# Altium PCB PCB_1.PcbDoc (part 2 of 2)
Units mm, origin at the board's own origin, x right, y up, seen from the top; angles counter-clockwise.
Board outline 160 x 120 mm, 2 copper layers (Top Layer, Bottom Layer), stack 1.671 mm thick; 157 components, 129 nets, 509 pads, 147 vias.
Unrouted connection lines stored in the file: 9.
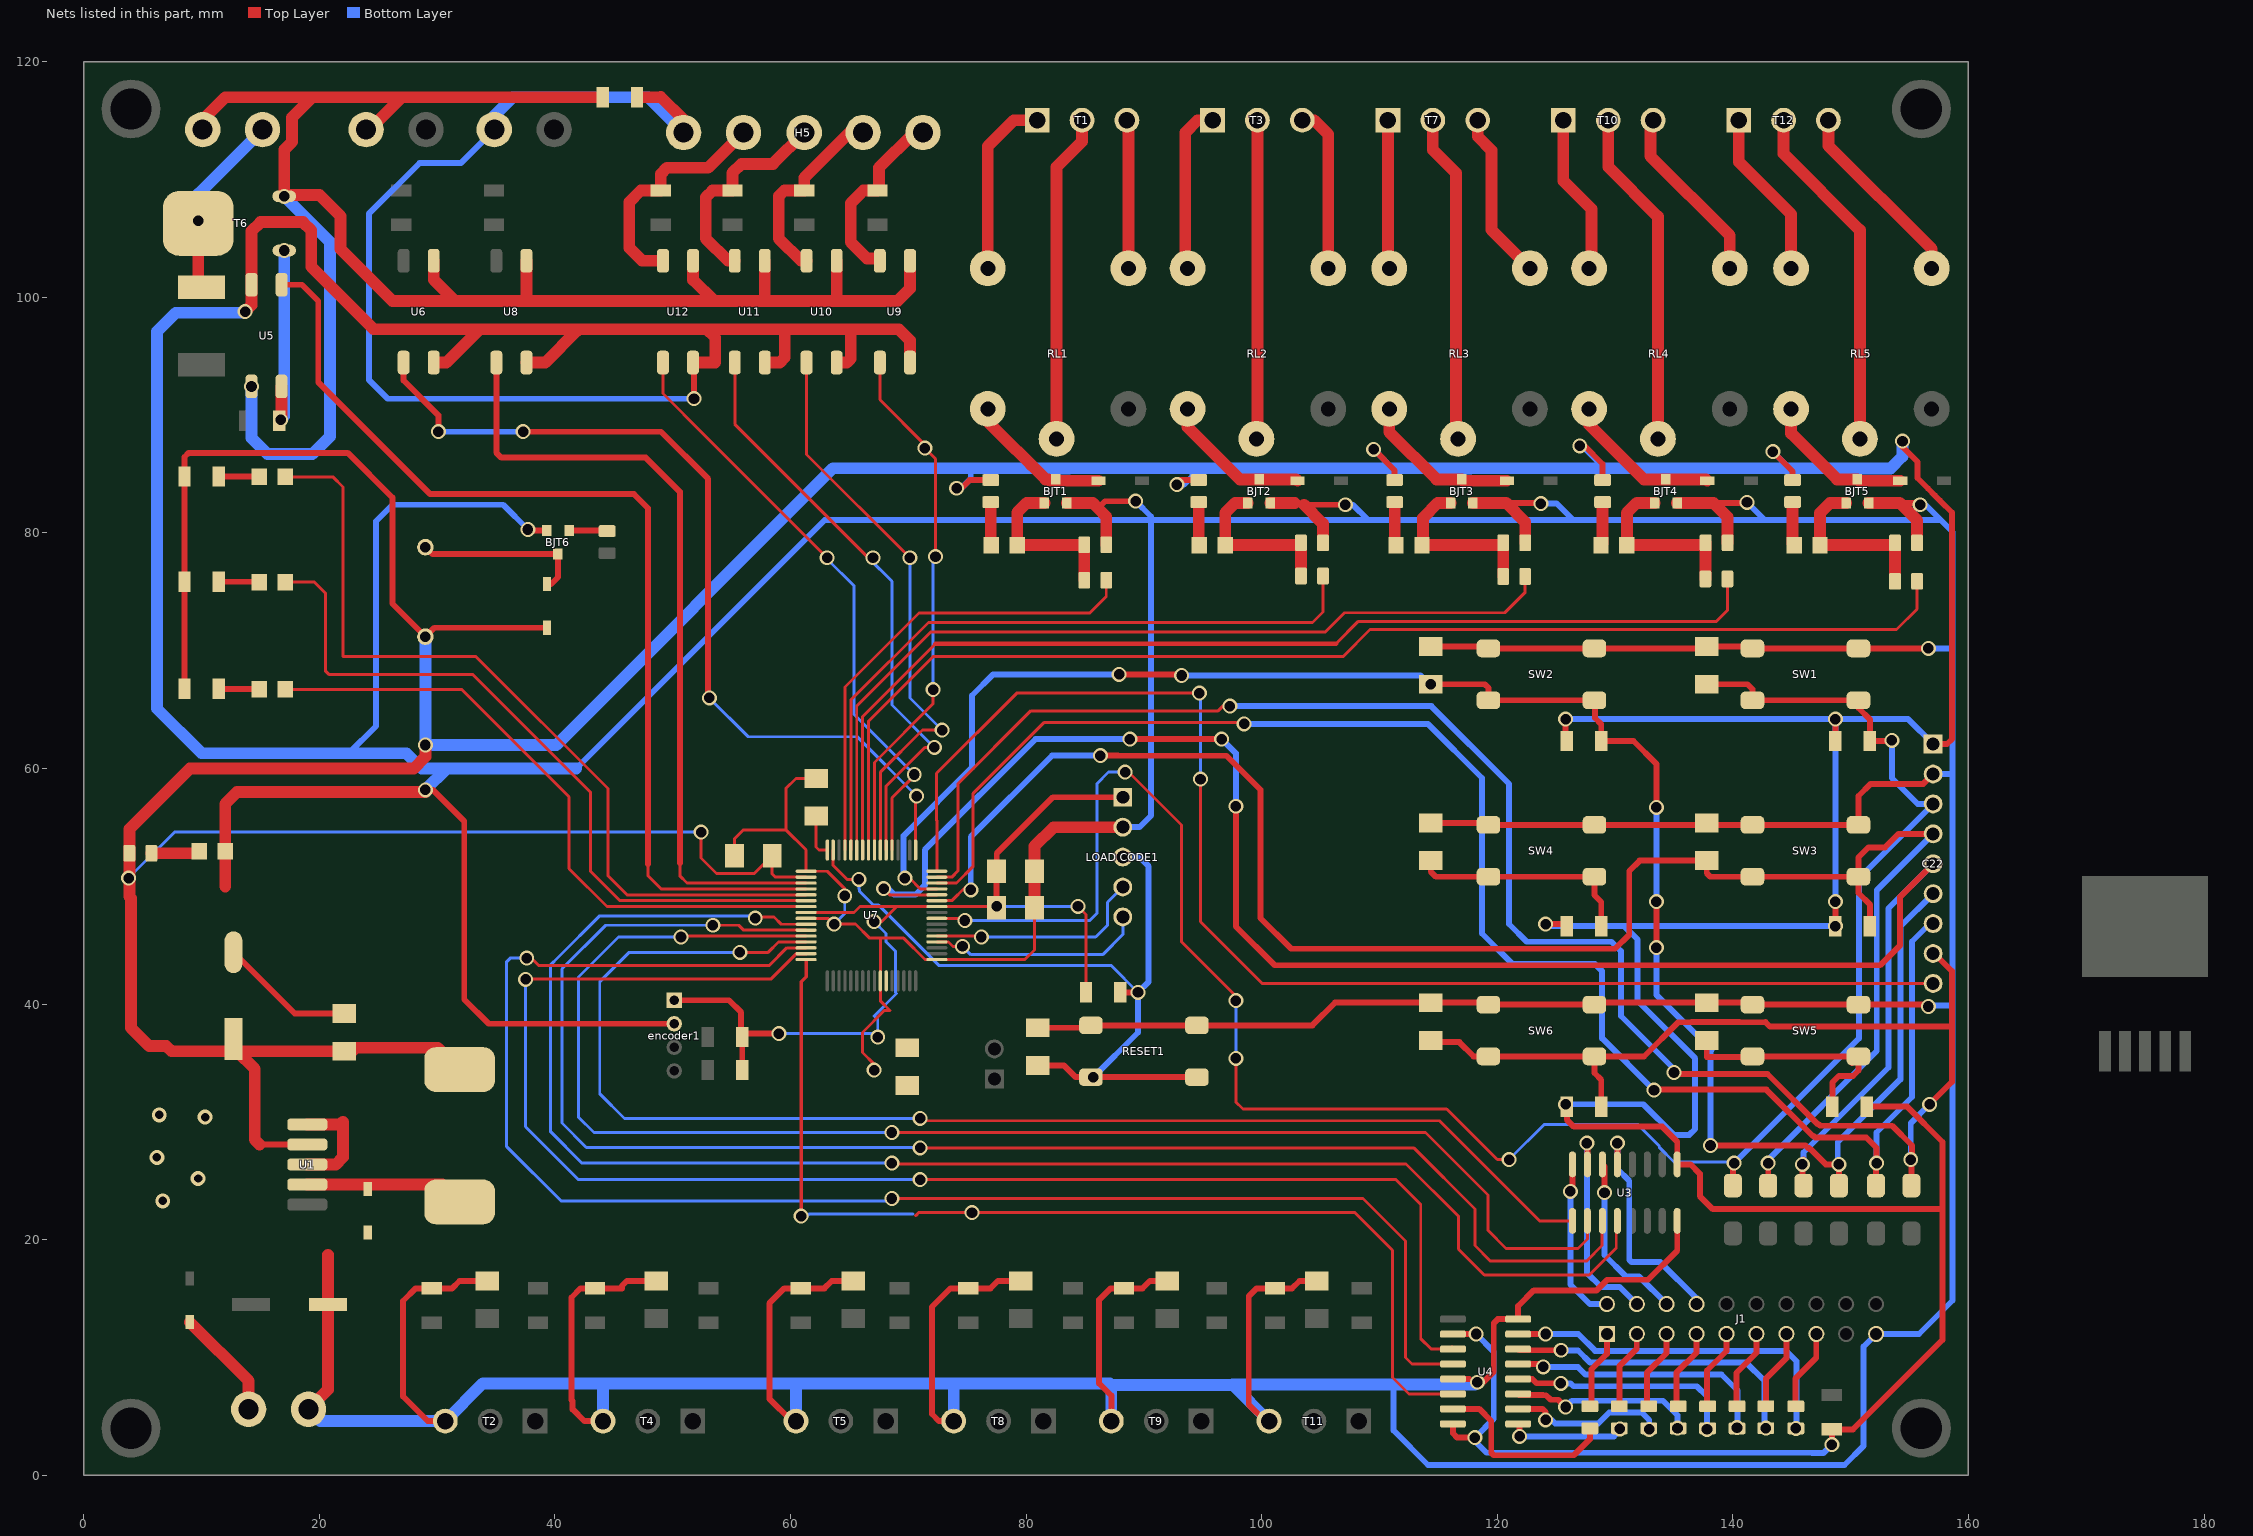
[diagram p2: the nets of this part, all layers, seen from the top]

## Via types
v1: diameter 1.27, hole 0.9, Top Layer to Bottom Layer, 142 vias
v2: diameter 1.27, hole 0.711, Top Layer to Bottom Layer, 5 vias

## Nets (pads, with @x,y where several pads share a name; then routed paths per layer and width w, separated by ;. In a path a pad name is that pad's centre, name@x,y a point inside that pad or via, vN(x,y) a via of type N, cw(c..) or ccw(c..) an arc to the next point about the centre after c; other vN are vias at no path point) (continued)
GND: "LOAD CODE1.2" BJT1.2 BJT2.2 BJT3.2 BJT4.2 BJT5.2 BJT6.2 C1.2 C2.2 C3.1 C4.1 C5.1 C6.1 C7.2 C8.2 C9.2 C10.2 C11.2 C12.1 C13.1 C14.1 C15.1 C16.1 C17.1 C18.1 C19.1 C20.1 C21.1 C22.2 D6.1 encoder1.2 H1.2 H4.2 H5.5 J1.19 LED2.2 R5.1 R8.2 R18.2 R20.1 R22.2 R26.2 R30.1 R32.2 R36.1 R38.2 R44.1 R59.2 RESET1.3 RESET1.4 SW1.3 SW1.4 SW2.3 SW2.4 SW3.3 SW3.4 SW4.3 SW4.4 SW5.3 SW5.4 SW6.3 SW6.4 T2.3 T4.3 T5.3 T8.3 T9.3 T11.3 U1.3 U1.5 U3.8 U4.8 U4.13 U5.2 U6.2 U7.10 U7.17 U7.49 U7.57 U8.2 U9.2 U10.2 U11.2 U12.2 | length 1244.9
  Top Layer w0.25: C10.2@55.24,52.613 55.24,54.04 56,54.8 59.6,54.8 ; U7.57@61.318,47.283 63.217,47.283 v1(63.7,46.8) 65.518,46.8 66.718,45.6 67.618,45.6 ; C7.2@62.169,59.161 60.461,59.161 59.6,58.3 59.6,54.8 ; v1(64.6,49.2) 64.6,49.8 63.117,51.283 U7.49@61.318,51.283 61.3,51.301 61.3,53.1 59.6,54.8 ; v1(67.1,34.4) 67.1,34.9 66.1,35.9 66.1,37.6 67.95,39.45 68.45,39.45 67.618,40.282 U7.10@67.618,41.983 67.618,45.6 ; C8.2@80.7,48.3 80.7,44.6 79.883,43.783 U7.17@72.418,43.783 71.417,43.783 69.6,45.6 67.618,45.6
  Top Layer w0.5: C2.2@12.7,44.41 17.905,39.205 C3.1@22.1,39.205 ; v1(29,58.2) 29.625,58.2 32.3,55.525 32.3,40.4 34.366,38.334 encoder1.2@50.119,38.334 ; T2.3@30.689,4.607 29.193,4.607 27.1,6.7 27.1,14.8 28.172,15.872 R8.2@29.546,15.872 31.272,15.872 31.899,16.499 C4.1@34.245,16.499 ; v1(37.7,80.3) 37.7,80.2 37.715,80.215 BJT6.2@39.297,80.215 ; T4.3@44.075,4.607 42.493,4.607 41.5,5.6 41.5,6.3 41.4,6.4 41.4,15.1 42.172,15.872 R18.2@43.389,15.872 45.672,15.872 45.672,16.072 46.099,16.499 C5.1@48.596,16.499 ; U12.2@51.72,94.473 51.8,94.393 v1(51.8,91.4) ; T5.3@60.461,4.607 60.093,4.607 58.2,6.5 58.2,14.6 59.472,15.872 R22.2@60.867,15.872 62.872,15.872 63.499,16.499 C6.1@65.312,16.499 ; T8.3@73.846,4.607 72.593,4.607 72,5.2 72,14.3 73.572,15.872 R26.2@75.091,15.872 76.972,15.872 77.599,16.499 C12.1@79.536,16.499 ; C13.1@81,38 85.3,38 RESET1.4@85.5,38.2 RESET1.3@94.5,38.2 104.3,38.2 106.225,40.125 C21.1@114.351,40.125 119.086,40.125 SW6.4@119.249,39.962 SW6.3@128.249,39.962 128.412,40.125 C20.1@137.782,40.125 141.501,40.125 SW5.4@141.664,39.962 SW5.3@150.664,39.962 156.562,39.962 156.6,39.924 v1(156.6,39.8) ; 86.1,82.1 86.7,82.7 v1(89.3,82.7) ; T9.3@87.232,4.607 87.232,6.768 86.2,7.8 86.2,14.9 87.172,15.872 R32.2@88.299,15.872 89.872,15.872 90.499,16.499 C14.1@91.982,16.499 ; T11.3@100.618,4.607 100.293,4.607 98.9,6 98.9,15.2 99.572,15.872 R38.2@101.126,15.872 102.572,15.872 103.199,16.499 C15.1@104.682,16.499 ; 102.798,82.551 102.949,82.4 103.6,82.4 v1(107.1,82.4) ; C19.1@114.351,55.384 119.086,55.384 SW4.4@119.249,55.221 SW4.3@128.249,55.221 C18.1@137.619,55.221 ; C17.1@114.351,70.363 119.086,70.363 SW2.4@119.249,70.2 SW2.3@128.249,70.2 137.619,70.2 C16.1@137.782,70.363 141.501,70.363 SW1.4@141.664,70.2 SW1.3@150.664,70.2 v1(156.6,70.2) ; U4.13@116.231,8.177 117.623,8.177 ; v1(118.3,7.9) 118.8,7.9 119.7,8.8 119.7,12.915 120.043,13.257 U4.8@121.769,13.257 121.769,14.369 123.1,15.7 128.431,15.7 129.331,16.6 132.8,16.6 135.274,19.074 U3.8@135.274,21.6 ; 120.749,82.551 123.649,82.551 v1(123.7,82.5) ; C18.1@137.782,55.384 C18.1@137.619,55.221 ; 138.349,82.551 141.151,82.551 v1(141.2,82.6) ; 154.149,82.551 156.051,82.551 v1(155.9,82.4) ; C22.2@157,59.54 156.16,58.7 151.7,58.7 150.664,57.664 SW3.3@150.664,55.221 SW3.4@141.664,55.221 C18.1@137.619,55.221
  Top Layer w1: 12,50 LED2.2@12,53 12,57 13,58 29,58 v1(29,58.2) ; v1(13.7,98.8) 14.231,99.331 U5.2@14.231,101.077 14.231,105.631 15,106.4 18.6,106.4 19.3,105.7 19.3,102.6 24.6,97.3 33.6,97.3 ; U1.3@18.969,26.381 21.381,26.381 22,27 22,30 21.781,29.781 U1.5@18.969,29.781 ; H1.2@19.069,5.607 20.72,7.258 C1.2@20.72,14.497 20.72,18.72 ; U6.2@29.702,94.473 30.773,94.473 33.6,97.3 ; U8.2@37.576,94.473 39.173,94.473 41.9,97.2 41.9,97.3 ; R59.2@46.96,117 48.984,117.016 49,117 50.92,115.08 H5.5@50.92,114 ; U12.2@51.72,94.473 53.6,94.473 53.6,96.6 52.9,97.3 ; U11.2@57.816,94.473 59.073,94.473 59.5,94.9 59.5,97.3 ; U10.2@63.912,94.473 64.773,94.473 65.1,94.8 65.1,97.3 ; U9.2@70.135,94.473 70.135,96.365 69.2,97.3 65.1,97.3 ; C8.2@80.7,48.3 80.7,53.4 82.326,55.026 88.204,55.026 ; BJT1.2@83.45,82.551 85.649,82.551 86.1,82.1 86.803,81.397 R5.1@86.803,79 ; BJT2.2@100.722,82.551 102.798,82.551 ; 103.6,82.4 105.2,80.8 R20.1@105.2,79.164 ; BJT3.2@117.93,82.551 120.749,82.551 122.369,80.931 R30.1@122.369,79.164 ; BJT4.2@135.266,82.551 138.349,82.551 139.552,81.348 R36.1@139.552,79.164 ; BJT5.2@151.522,82.551 154.149,82.551 155.635,81.065 R44.1@155.635,79.164 ; 33.6,97.3 41.9,97.3 ; 41.9,97.3 52.9,97.3 ; 52.9,97.3 59.5,97.3 ; 59.5,97.3 65.1,97.3
  Bottom Layer w0.25: v1(63.7,46.8) 64.6,47.7 v1(64.6,49.2)
  Bottom Layer w0.5: 22.5,61.3 24.8,63.6 24.8,81 26.2,82.4 35.6,82.4 v1(37.7,80.3) ; H4.2@34.844,114.248 31.995,111.4 28.5,111.4 24.2,107.1 24.2,93 25.8,91.4 v1(51.8,91.4) ; 41.8,60 62.9,81.1 90.6,81.1 ; 88.204,55.026 89.626,55.026 90.6,56 90.6,81.1 ; v1(89.3,82.7) 90.6,81.4 90.6,81.1 ; v1(107.1,82.4) 107.74,82.4 109.04,81.1 ; 111.2,7.7 111.2,3.8 114.123,0.877 149.477,0.877 151.1,2.5 151.1,10.94 J1.19@152.16,12 155.8,12 158.64,14.84 158.64,39.9 158.64,59.54 ; v1(123.7,82.5) 125.04,82.5 126.44,81.1 ; v1(141.2,82.6) 142.7,81.1 ; v1@155.96,82.5 156.1,82.36 156.24,82.5 157.64,81.1 ; v1(156.6,39.8) 156.7,39.9 158.64,39.9 ; v1(156.6,70.2) 158.64,70.2 ; C22.2@157,59.54 158.64,59.54 ; 90.6,81.1 109.04,81.1 ; 109.04,81.1 126.44,81.1 ; 126.44,81.1 142.7,81.1 ; 142.7,81.1 157.64,81.1 ; 157.64,81.1 158.64,80.1 158.64,70.2 ; 158.64,59.54 158.64,70.2
  Bottom Layer w1: v1(13.7,98.8) 13.7,98.7 7.8,98.7 6.2,97.1 6.2,65.1 10,61.3 22.5,61.3 27.388,61.3 28.688,60 30.8,60 ; H1.2@19.069,5.607 20.069,4.607 T2.3@30.689,4.607 33.882,7.8 44.2,7.8 ; v1(29,58.2) 30.8,60 ; H4.2@34.844,114.248 34.844,115.444 36.4,117 47.92,117 H5.5@50.92,114 ; 41.8,60 30.8,60 ; T4.3@44.075,4.607 44.075,7.675 44.2,7.8 ; T5.3@60.461,4.607 60.461,7.439 60.1,7.8 ; T8.3@73.846,4.607 73.846,7.746 73.9,7.8 ; 87.1,7.8 73.9,7.8 ; T9.3@87.232,4.607 87.232,7.668 97.557,7.668 T11.3@100.618,4.607 ; 97.525,7.7 111.2,7.7 118.1,7.7 v1(118.3,7.9) ; 44.2,7.8 60.1,7.8 ; 60.1,7.8 73.9,7.8
  other v2: 6.7,23.3 9.7,25.2 6.2,27 10.3,30.4 6.4,30.6
GND_24: H2.2 H3.2 R59.1 T6.3 U5.3 U6.3 U8.3 U9.3 U10.3 U11.3 U12.3 | length 163.3
  Top Layer w1: H2.2@10.093,114.248 10.093,115.093 12,117 19.389,117 ; H3.2@23.968,114.248 24.248,114.248 27,117 ; U6.3@29.702,103.109 29.702,101.498 31.5,99.7 ; U8.3@37.576,103.109 37.576,99.7 ; R59.1@44.04,117 27,117 ; U12.3@51.72,103.109 51.72,101.48 53.5,99.7 ; U11.3@57.816,103.109 57.816,99.816 57.7,99.7 ; U10.3@63.912,103.109 63.912,99.788 64,99.7 ; U9.3@70.135,103.109 70.135,100.735 69.1,99.7 64,99.7 ; 19.389,117 17.673,115.284 17.673,113.213 17.015,112.555 v1(17.015,108.584) 17.131,108.7 20,108.7 21.8,106.9 21.8,104.1 26.2,99.7 31.5,99.7 ; 19.389,117 27,117 ; 31.5,99.7 37.576,99.7 ; 37.576,99.7 53.5,99.7 ; 53.5,99.7 57.7,99.7 ; 57.7,99.7 64,99.7
  Bottom Layer w1: v1(14.231,92.441) 14.231,88.069 15.6,86.7 19.4,86.7 20.9,88.2 20.9,104.699 v1(17.015,108.584)
IN_BUT_1: C16.2 C22.3 D1.1 R41.2 SW1.1 SW1.2 U7.24 | length 175
  Top Layer w0.25: U7.24@72.483,47.283 74.617,47.283 v1(74.8,47.1) v1@74.4,47.1 ; v1(88.4,59.7) 88.4,60 93.2,55.2 93.2,45.3 97.8,40.7 v1(97.8,40.3) ; v1@98.1,35.4 v1(97.8,35.4) 97.8,31.7 98.4,31.1 115.7,31.1 120,26.8 v1(121,26.8)
  Top Layer w0.5: C16.2@137.782,67.163 141.237,67.163 141.664,66.736 SW1.2@141.664,65.8 SW1.1@150.664,65.8 150.664,65.136 151.625,64.175 R41.2@151.625,62.336 153.436,62.336 v1(153.5,62.4) ; D1.1@140,24.594 v1@140,26.115 ; v1@140,26.4 v1@140,26.115 ; v1@140.1,26.215 v1@140,26.115
  Bottom Layer w0.25: v1(74.8,47.1) 85.4,47.1 86,47.7 86,58.7 87,59.7 87.9,59.7 88,59.8 88.1,59.7 v1(88.4,59.7) ; v1(97.8,40.3) v1(97.8,35.4) 97.9,35.4 v1@98,35.5 ; v1(121,26.8) 124,29.8 131.9,29.8 133.75,27.95 133.75,27.85 135,26.6 140.2,26.6 v1(140.1,26.5)
  Bottom Layer w0.5: v1@140.2,26.6 150.7,37.1 150.7,50.7 C22.3@157,57 155.7,57 153.5,59.2 v1(153.5,62.4)
IN_BUT_2: C18.2 C22.4 D3.1 R46.2 SW3.1 SW3.2 U7.27 | length 156
  Top Layer w0.25: U7.27@72.418,48.783 73.683,48.783 74.8,49.9 75,49.7 v1(75.3,49.7)
  Top Layer w0.5: v1(86.3,61.1) 87.811,61.1 87.826,61.085 97.015,61.085 99.9,58.2 99.9,47.3 102.5,44.7 130,44.7 131.2,45.9 131.2,51.3 132.084,52.184 C18.2@137.782,52.184 137.782,51.118 138.079,50.821 SW3.2@141.664,50.821 150.343,50.821 SW3.1@150.664,50.5 ; D3.1@143,24.594 v1(143,26.5) v1@143,26.8 ; R46.2@151.625,46.62 151.625,48.475 150.664,49.436 SW3.1@150.664,50.5 ; C22.4@157,54.46 154.06,54.46 152.9,53.3 151.5,53.3 150.664,52.464 SW3.1@150.664,50.821 SW3.1@150.664,50.5
  Bottom Layer w0.5: v1(75.3,49.7) 75.3,54.2 82.2,61.1 v1(86.3,61.1) ; v1@143,26.8 152.215,36.015 152.215,49.675 C22.4@157,54.46
IN_BUT_3: C22.5 D4.1 U7.28 | length 155.8
  Top Layer w0.25: v1(67.9,49.8) 68.417,49.283 U7.28@72.418,49.283
  Top Layer w0.5: v1(88.8,62.5) v1(96.6,62.5) ; v1(97.8,56.8) 97.8,46.6 101.1,43.3 152.5,43.3 154.2,45 154.2,49.12 C22.5@157,51.92 ; D4.1@146,24.594 145.9,24.694 v1(145.9,26.4) 145.9,26.7 v1@146,26.8
  Bottom Layer w0.5: v1(67.9,49.8) 68.3,49.8 68.8,49.3 70.6,49.3 71.4,50.1 ; 71.4,50.1 71.4,53.1 80.8,62.5 v1(88.8,62.5) ; v1(96.6,62.5) 97.8,61.3 v1(97.8,56.8) ; v1@146,26.8 146,27.4 153.215,34.615 153.215,48.135 C22.5@157,51.92
IN_BUT_4: C17.2 C22.6 D7.1 R43.2 SW2.1 SW2.2 U7.29 | length 159.7
  Top Layer w0.25: v1(69.7,50.7) 70.1,50.7 71.017,49.783 U7.29@72.418,49.783
  Top Layer w0.5: v1(87.9,68) 93.1,68 v1(93.2,67.9) v1@93.2,67.5 ; v1(114.351,67.163) 118.937,67.163 119.249,66.851 SW2.2@119.249,65.8 SW2.1@128.249,65.8 128.3,65.749 128.3,64.3 128.829,63.771 R43.2@128.829,62.336 131.564,62.336 133.5,60.4 v1(133.5,56.7) ; v1(133.5,44.8) v1(133.5,48.701) ; v1(138.1,28) 146.172,28 146.372,27.8 146.414,27.8 146.429,27.785 146.473,27.785 146.583,27.675 146.611,27.675 147.886,26.4 v1(149,26.4) D7.1@149,24.594
  Bottom Layer w0.5: v1(69.7,50.7) 69.6,50.8 69.6,54.3 75.4,60.1 75.4,66.2 77.2,68 v1(87.9,68) ; v1(93.2,67.9) 113.488,67.9 114.288,67.1 v1(114.351,67.163) ; v1(133.5,44.8) 133.5,40.8 138.2,36.1 138.1,36 v1(138.1,28) ; v1(133.5,48.701) v1(133.5,56.7) ; v1@148.8,26.6 148.9,26.7 148.9,28.3 154.215,33.615 154.215,46.595 C22.6@157,49.38
IN_BUT_5: C22.7 D8.1 U7.30 | length 140.4
  Top Layer w0.25: U7.30@72.418,50.283 74.083,50.283 75.5,51.7 75.5,57.9 81.5,63.9 98.4,63.9 v1(98.5,63.8)
  Top Layer w0.5: v1(133.3,32.7) 133.343,32.743 142.843,32.743 146.786,28.8 146.828,28.8 146.843,28.785 146.888,28.785 146.998,28.675 151.325,28.675 152.2,27.8 v1(152.2,26.5) ; D8.1@152.148,24.594 v1@152.148,26.115
  Bottom Layer w0.5: v1(98.5,63.8) 114.1,63.8 118.7,59.2 118.7,46 121.3,43.4 128.3,43.4 128.9,42.8 128.9,37.1 v1(133.3,32.7) ; v1(152.2,26.5) 152.2,29.1 155.215,32.115 155.215,45.315 156.74,46.84 C22.7@157,46.84
IN_BUT_6: C21.2 C22.8 D9.1 R52.2 SW6.1 SW6.2 U7.31 | length 192.9
  Top Layer w0.25: U7.31@72.418,50.783 73.683,50.783 74.2,51.3 74.2,58.7 80.4,64.9 96.3,64.9 96.7,65.3 v1(97.3,65.3) 97.5,65.3 v1@97.7,65.5
  Top Layer w0.5: C21.2@114.351,36.925 114.5,36.776 116.776,36.776 117.99,35.562 SW6.2@119.249,35.562 127.987,35.562 SW6.1@128.249,35.3 ; R52.2@128.829,31.285 128.829,33.571 128.249,34.151 SW6.1@128.249,35.3 ; v1(135,34.2) 135.138,34.062 142.938,34.062 147.2,29.8 147.243,29.8 147.258,29.785 147.302,29.785 147.412,29.675 153.525,29.675 155.2,28 v1@155.2,26.8 ; D9.1@155.156,24.594 v1@155.156,26.256 ; v1(156.7,31.5) 158.6,33.4 158.6,38.1 ; C22.8@157,44.3 157.1,44.3 158.6,42.8 158.6,38.1 ; SW6.1@128.249,35.3 SW6.1@128.249,35.562 132.462,35.562 135.362,38.462 136.458,38.462 136.471,38.475 140.56,38.475 140.573,38.462 142.755,38.462 142.768,38.475 143.143,38.1 158.6,38.1
  Bottom Layer w0.5: v1(97.3,65.3) 114.4,65.3 121,58.7 121,46.8 122.5,45.3 129.7,45.3 130.5,44.5 130.5,39 135,34.5 v1@135,34.062 ; v1(155.1,26.8) 155.1,29.9 v1(156.7,31.5)
IN_BUT_7: C22.9 U7.32 | length 117.3
  Top Layer w0.25: U7.32@72.418,51.283 72.418,55.582 72.4,55.6 72.4,59.6 79.2,66.4 v1(94.7,66.4) ; v1(94.8,59.1) 94.8,47 100.04,41.76 C22.9@157,41.76
  Bottom Layer w0.25: v1(94.7,66.4) 94.8,66.3 v1(94.8,59.1)
IN_PUT_3: C20.2 R51.2 SW5.1 SW5.2 | length 21
  Top Layer w0.5: C20.2@137.782,36.925 137.782,35.518 141.62,35.518 SW5.2@141.664,35.562 SW5.1@150.664,35.562 ; R51.2@148.444,31.285 148.444,33.342 148.999,33.897 150.197,33.897 150.664,34.364 SW5.1@150.664,35.562 ; SW5.1@150.109,35.007 SW5.1@150.664,35.562
IN_PUT_5: C19.2 R47.2 SW4.1 SW4.2 | length 19.5
  Top Layer w0.5: C19.2@114.351,52.184 114.351,51.249 114.779,50.821 SW4.2@119.249,50.821 SW4.1@128.249,50.821 128.249,49.251 128.829,48.671 R47.2@128.829,46.62
INVENTER_1: H5.1 R45.1 U9.4 | length 16.1
  Top Layer w1: U9.4@67.582,103.109 67.391,103.3 66.5,103.3 65.1,104.7 65.1,107.988 65.735,108.623 65.735,108.635 66.177,109.077 R45.1@67.386,109.077 67.5,109.191 67.5,111 70.5,114 H5.1@71.24,114
INVENTER_2: H5.2 R50.1 U10.4 | length 16.8
  Top Layer w1: U10.4@61.359,103.109 60.891,103.109 59,105 59,108.6 59.477,109.077 R50.1@61.163,109.077 61.163,110.163 65,114 H5.2@66.16,114
INVENTER_3: H5.3 R54.1 U11.4 | length 18.3
  Top Layer w1: U11.4@55.263,103.109 54.691,103.109 52.8,105 52.8,108.5 53.377,109.077 R54.1@55.067,109.077 55.067,110.567 55.839,111.339 58.5,111.339 H5.3@61.161,114
INVENTER_4: H5.4 R55.1 U12.4 | length 20.2
  Top Layer w1: U12.4@49.167,103.109 47.391,103.109 46.3,104.2 46.3,108.1 47.277,109.077 R55.1@48.971,109.077 48.971,110.471 49.5,111 53,111 H5.4@56,114
LED_1: LED7.2 U7.55 | length 55.4
  Top Layer w0.25: LED7.2@17.102,66.737 17.139,66.7 32.1,66.7 41.2,57.6 41.2,51.5 44.417,48.283 U7.55@61.318,48.283
LED_2: LED8.2 U7.54 | length 63.2
  Top Layer w0.25: LED8.2@17.102,75.833 19.567,75.833 20.5,74.9 20.5,68.3 20.8,68 33,68 43,58 43,51.3 45.517,48.783 U7.54@61.318,48.783
LED_3: LED9.2 U7.53 | length 71.7
  Top Layer w0.25: LED9.2@17.102,84.769 21.131,84.769 22,83.9 22,69.5 33.3,69.5 44.5,58.3 44.5,50.9 46.117,49.283 U7.53@61.318,49.283
LED_7_1: J1.01 R9.1 | length 7
  Top Layer w0.5: R9.1@127.861,5.855 128,5.994 128,9 129.3,10.3 J1.01@129.3,12 J1.01@129.5,11.8
LED_7_2: J1.03 R10.1 | length 6.8
  Top Layer w0.5: R10.1@130.359,5.855 130.359,9.259 131.84,10.74 J1.03@131.84,12
LED_7_3: J1.05 R11.1 | length 6.9
  Top Layer w0.5: R11.1@132.858,5.855 132.7,6.013 132.7,8.7 134.38,10.38 J1.05@134.38,12
LED_7_4: J1.07 R12.1 | length 6.9
  Top Layer w0.5: R12.1@135.356,5.855 135.2,6.011 135.2,8.7 136.92,10.42 J1.07@136.92,12
LED_7_5: J1.09 R13.1 | length 6.9
  Top Layer w0.5: R13.1@137.854,5.855 137.8,5.909 137.8,8.9 139.46,10.56 J1.09@139.46,12
LED_7_6: J1.11 R15.1 | length 6.9
  Top Layer w0.5: R15.1@140.353,5.855 140.3,5.908 140.3,8.7 142,10.4 J1.11@142,12
LED_7_7: J1.13 R16.1 | length 6.9
  Top Layer w0.5: R16.1@142.8,5.87 142.8,8.2 144.54,9.94 J1.13@144.54,12
LED_7_8: J1.15 R19.1 | length 6.9
  Top Layer w0.5: R19.1@145.35,5.855 145.3,5.905 145.3,8.2 147.08,9.98 J1.15@147.08,12
LED_LATCH: U4.12 U7.62 | length 135.6
  Top Layer w0.25: v1(37.6,43.9) 38,43.9 38.6,43.3 58.2,43.3 59.683,44.783 U7.62@61.318,44.783 ; v1(68.6,23.5) 108.6,23.5 112.2,19.9 112.2,10 112.753,9.447 U4.12@116.231,9.447
  Bottom Layer w0.25: v1(37.6,43.9) 36.2,43.9 35.9,43.6 35.9,27.9 40.5,23.3 v1@68.09,23.3 ; v1@68.118,23.3 v1@68.09,23.3 ; v1@68.15,23.36 v1@68.09,23.3
LED_SCK: U4.11 U7.63 | length 129.8
  Top Layer w0.25: v1(37.5,42.1) 37.55,42.15 58.35,42.15 ; v1(71,25.1) 111.4,25.1 113.5,23 113.5,11.6 114.383,10.717 U4.11@116.231,10.717
  Top Layer w0.3: 58.35,42.15 60.483,44.283 U7.63@61.318,44.283
  Top Layer w0.5: U4.11@116.164,10.785 U4.11@116.231,10.717
  Bottom Layer w0.25: v1(37.5,42.1) 37.5,29.6 42,25.1 70.3,25.1
LED_SDA: U4.14 U7.64 | length 90.2
  Top Layer w0.25: 70.622,22.04 70.882,22.3 v1(75.4,22.3) 107.9,22.3 111.1,19.1 111.1,8.3 112.493,6.907 U4.14@116.231,6.907
  Top Layer w0.3: v1(60.9,22) 60.9,41.9 61.318,42.318 U7.64@61.318,43.783
  Bottom Layer w0.25: v1@60.9,22.1 61.2,21.8 61.6,22.2 70.4,22.2
LED_SEG_1: U3.1 U7.61 | length 116.1
  Top Layer w0.25: v1(55.7,44.4) 58.1,44.4 58.983,45.283 U7.61@61.318,45.283 ; v1@70.9,30.3 70.9,30.2 71,30.1 115.1,30.1 123.6,21.6 U3.1@126.384,21.6
  Bottom Layer w0.25: v1@55.8,44.9 55.7,44.8 v1(55.7,44.4) 46.3,44.4 43.8,41.9 43.8,32.4 45.9,30.3 v1@70.9,30.3
  other v1: 71,30.3
LED_SEG_2: U3.2 U7.60 | length 126.6
  Top Layer w0.25: v1(50.7,45.7) 51.1,45.7 51.183,45.783 U7.60@61.318,45.783 ; v1@69.1,29.1 113.9,29.1 119.2,23.8 119.2,20.8 120.746,19.254 126.854,19.254 127.654,20.054 U3.2@127.654,21.6
  Bottom Layer w0.25: v1(50.7,45.7) 45.4,45.7 42,42.3 42,30.4 43.3,29.1 v1(68.6,29.1) v1@69.1,29.1
LED_SEG_3: U3.3 U7.59 | length 134
  Top Layer w0.25: v1@53.617,46.283 53.4,46.5 v1(53.4,46.7) 55.6,46.7 56.017,46.283 U7.59@61.318,46.283 ; v1(71,27.8) 112.9,27.8 118.1,22.6 118.1,19.5 119.4,18.2 127.6,18.2 128.9,19.5 128.9,21.576 U3.3@128.924,21.6
  Bottom Layer w0.25: v1(53.4,46.7) 44.3,46.7 40.6,43 40.6,29.9 42.66,27.84 71.16,27.84 71.2,27.8 v1(71,27.8)
LED_SEG_4: U3.4 U7.58 | length 139
  Top Layer w0.25: v1@57.117,46.783 57,46.9 v1(57,47.3) 57.1,47.4 58.6,47.4 59.217,46.783 U7.58@61.318,46.783 ; v1@69,26.5 69.06,26.44 112.26,26.44 116.7,22 116.7,19.2 118.9,17 127.8,17 130.1,19.3 130.1,21.506 U3.4@130.194,21.6
  Bottom Layer w0.25: v1(57,47.3) 56.8,47.5 43.8,47.5 40.3,44 39.6,43.3 39.6,29.2 42.3,26.5 v1(68.6,26.5) v1@69,26.5
NetBJT1_1: BJT1.1 LED1.2 R3.1 R5.2 | length 14.1
  Top Layer w1: BJT1.1@81.55,82.551 80.051,82.551 79.246,81.746 LED1.2@79.246,78.979 84.912,78.979 R5.2@84.933,79 R3.1@84.933,76
NetBJT1_3: BJT1.3 D5.1 RL1.4 | length 12.6
  Top Layer w0.5: 81.649,84.551 81.9,84.551
  Top Layer w1: RL1.4@76.742,90.536 76.742,89.458 77.969,88.231 80.422,85.778 81.649,84.551 ; 81.9,84.551 82.017,84.434 D5.1@86.14,84.434
NetBJT2_1: BJT2.1 LED3.2 R17.1 R20.2 | length 14.3
  Top Layer w1: BJT2.1@98.822,82.551 97.751,82.551 96.9,81.7 LED3.2@96.9,78.979 103.145,78.979 R20.2@103.33,79.164 R17.1@103.33,76.348
NetBJT2_3: BJT2.3 D10.1 RL2.4 | length 12.8
  Top Layer w1: RL2.4@93.709,90.536 93.709,88.991 98.149,84.551 BJT2.3@99.772,84.551 102.914,84.551 D10.1@103.031,84.434
NetBJT3_1: BJT3.1 LED4.2 R28.1 R30.2 | length 15
  Top Layer w1: BJT3.1@116.03,82.551 114.951,82.551 113.7,81.3 113.7,79.079 LED4.2@113.6,78.979 120.314,78.979 R30.2@120.499,79.164 R28.1@120.499,76.312
NetBJT3_3: BJT3.3 D11.1 RL3.4 | length 13.7
  Top Layer w1: RL3.4@110.829,90.536 110.829,88.571 114.849,84.551 BJT3.3@116.98,84.551 117.097,84.434 D11.1@120.811,84.434
NetBJT4_1: BJT4.1 LED5.2 R35.1 R36.2 | length 15.3
  Top Layer w1: BJT4.1@133.366,82.551 131.851,82.551 131,81.7 LED5.2@131,78.979 137.497,78.979 R36.2@137.682,79.164 137.682,76.117 R35.1@137.665,76.1
NetBJT4_3: BJT4.3 D12.1 RL4.4 | length 13.3
  Top Layer w1: RL4.4@127.796,90.536 127.796,89.204 132.449,84.551 BJT4.3@134.316,84.551 137.712,84.551 D12.1@137.829,84.434
NetBJT5_1: BJT5.1 LED6.2 R42.1 R44.2 | length 15
  Top Layer w1: BJT5.1@149.622,82.551 148.251,82.551 147.4,81.7 LED6.2@147.4,78.979 153.58,78.979 R44.2@153.765,79.164 R42.1@153.765,75.9
NetBJT5_3: BJT5.3 D13.1 RL5.4 | length 13
  Top Layer w1: RL5.4@144.941,90.536 144.941,88.459 148.849,84.551 BJT5.3@150.572,84.551 150.689,84.434 D13.1@154.212,84.434
NetBJT6_1: BJT6.1 R56.1 | length 3.2
  Top Layer w0.5: BJT6.1@41.197,80.215 44.367,80.215 R56.1@44.422,80.16
NetBJT6_3: BJT6.3 buzzer1.N D14.1 | length 14.6
  Top Layer w0.5: buzzer1.N@29,78.8 29.585,78.215 BJT6.3@40.247,78.215 40.247,76.253 39.653,75.659 D14.1@39.33,75.659
NetD6_2: D6.2 L1.2 U1.2 | length 13.5
  Top Layer w1: U1.2@18.969,24.681 30.431,24.681 L1.2@31.9,23.212
NetLED1_1: LED1.1 R1.1 | length 3.7
  Top Layer w1: R1.1@76.996,82.626 76.996,79.029 LED1.1@77.046,78.979
NetLED2_1: LED2.1 R2.1 | length 4.1
  Top Layer w1: R2.1@5.734,52.803 9.603,52.803 LED2.1@9.8,53
NetLED3_1: LED3.1 R7.1 | length 3.7
  Top Layer w1: LED3.1@94.649,78.951 LED3.1@94.649,79.403 ; R7.1@94.649,82.626 LED3.1@94.649,79.403 ; LED3.1@94.7,79.352 LED3.1@94.649,79.403
NetLED4_1: LED4.1 R25.1 | length 3.7
  Top Layer w1: R25.1@111.286,82.626 111.286,79.093 LED4.1@111.4,78.979
NetLED5_1: LED5.1 R34.1 | length 3.7
  Top Layer w1: LED5.1@128.8,78.979 128.939,79.118 R34.1@128.939,82.626
NetLED6_1: LED6.1 R40.1 | length 3.7
  Top Layer w1: R40.1@145.068,82.626 145.068,79.111 LED6.1@145.2,78.979
NetLED7_1: LED7.1 R48.2 | length 3.4
  Top Layer w0.5: R48.2@11.466,66.77 14.869,66.77 LED7.1@14.902,66.737
NetLED8_1: LED8.1 R49.2 | length 3.4
  Top Layer w0.5: R49.2@11.466,75.866 14.869,75.866 LED8.1@14.902,75.833
NetLED9_1: LED9.1 R53.2 | length 3.4
  Top Layer w0.5: R53.2@11.466,84.802 14.869,84.802 LED9.1@14.902,84.769
NetR9_2: R9.2 U4.15 | length 16.3
  Top Layer w0.5: U4.15@116.231,5.637 118.463,5.637 119.485,4.615 119.485,1.915 119.7,1.7 126.5,1.7 127.861,3.061 R9.2@127.861,3.985
NetR10_2: R10.2 U4.1 | length 10
  Top Layer w0.5: U4.1@121.769,4.367 121.9,4.236 v1(121.9,3.3) ; R10.2@130.359,3.985 v1(130.4,3.944)
  Bottom Layer w0.5: v1(121.9,3.3) 129.9,3.3 130.4,3.8 v1(130.4,3.944)
NetR11_2: R11.2 U4.2 | length 13.5
  Top Layer w0.5: U4.2@121.769,5.637 123.837,5.637 124.1,5.375 v1(124.1,4.7)
  Bottom Layer w0.5: v1(124.1,4.7) 124.615,4.7 124.915,4.4 128.571,4.4 129.5,5.329 132.271,5.329 132.9,4.7 v1(132.9,3.9)
NetR12_2: R12.2 U4.3 | length 15.8
  Top Layer w0.5: U4.3@121.769,6.907 121.861,6.815 123.885,6.815 123.9,6.8 124.141,6.8 124.526,6.415 125.185,6.415 v1(125.8,5.8)
  Bottom Layer w0.5: v1(125.8,5.8) 126.329,6.329 134.071,6.329 135.3,5.1 v1(135.3,4)
NetR13_2: R13.2 U4.4 | length 19.4
  Top Layer w0.5: U4.4@121.769,8.177 122.964,8.177 123.326,7.815 125.385,7.815 v1(125.4,7.8)
  Bottom Layer w0.5: v1(125.4,7.8) 126.227,7.8 126.462,7.565 136.935,7.565 137.8,6.7 v1(137.8,3.9)
NetR15_2: R15.2 U4.5 | length 22.9
  Top Layer w0.5: U4.5@121.769,9.447 123.853,9.447 123.9,9.4 v1(123.9,9.2) ; R15.2@140.353,3.985 v1(140.353,4.053)
  Bottom Layer w0.5: v1(123.9,9.2) 126.841,9.2 127.476,8.565 139.035,8.565 140.4,7.2 140.4,4.1 v1(140.353,4.053)
NetR16_2: R16.2 U4.6 | length 26.7
  Top Layer w0.5: U4.6@121.769,10.717 121.871,10.615 v1(125.415,10.615)
  Bottom Layer w0.5: v1(125.415,10.615) 125.43,10.6 126.855,10.6 127.89,9.565 141.135,9.565 142.7,8 142.7,4.5 143.2,4 v1(142.8,4)
NetR19_2: R19.2 U4.7 | length 30.5
  Top Layer w0.5: U4.7@121.769,11.987 121.781,12 v1(124.1,12) v1@124,12.1
  Bottom Layer w0.5: v1(124.1,12) 126.869,12 128.304,10.565 144.514,10.565 145.4,9.679 145.4,4.035 v1(145.35,3.985)
NetRL1_1: RL1.1 T1.2 | length 27.9
  Top Layer w1: RL1.1@82.584,87.996 82.584,111.084 84.748,113.248 T1.2@84.748,115.047
NetRL1_2: RL1.2 T1.3 | length 12.6
  Top Layer w1: T1.3@88.558,115.047 88.68,114.925 RL1.2@88.68,102.474
NetRL1_3: RL1.3 T1.1 | length 15.5
  Top Layer w1: RL1.3@76.742,102.474 76.742,112.836 78.953,115.047 T1.1@80.938,115.047
NetRL2_1: RL2.1 T3.2 | length 27.1
  Top Layer w1: RL2.1@99.551,87.996 99.637,88.082 T3.2@99.637,115.047
NetRL2_2: RL2.2 T3.3 | length 14.1
  Top Layer w1: T3.3@103.447,115.047 104.453,115.047 105.647,113.853 RL2.2@105.647,102.474
NetRL2_3: RL2.3 T3.1 | length 14.4
  Top Layer w1: RL2.3@93.709,102.474 93.5,102.683 93.5,114 94.547,115.047 T3.1@95.827,115.047
NetRL3_1: RL3.1 T7.2 | length 27.9
  Top Layer w1: T7.2@114.527,115.047 114.527,112.527 116.5,110.554 116.5,88.167 RL3.1@116.671,87.996
NetRL3_2: RL3.2 T7.3 | length 14.4
  Top Layer w1: T7.3@118.337,115.047 118.337,113.663 119.5,112.5 119.5,105.741 RL3.2@122.767,102.474
NetRL3_3: RL3.3 T7.1 | length 12.6
  Top Layer w1: T7.1@110.717,115.047 110.717,102.586 RL3.3@110.829,102.474
NetRL4_1: RL4.1 T10.2 | length 28.8
  Top Layer w1: T10.2@129.416,115.047 129.416,111.084 133.638,106.862 RL4.1@133.638,87.996
NetRL4_2: RL4.2 T10.3 | length 15.5
  Top Layer w1: T10.3@133.226,115.047 133,114.821 133,112 139.734,105.266 RL4.2@139.734,102.474
NetRL4_3: RL4.3 T10.1 | length 13.6
  Top Layer w1: T10.1@125.606,115.047 125.606,109.894 128,107.5 128,102.678 RL4.3@127.796,102.474
NetRL5_1: RL5.1 T12.2 | length 29.7
  Top Layer w1: T12.2@144.306,115.047 144.306,112.194 150.783,105.717 RL5.1@150.783,87.996
NetRL5_2: RL5.2 T12.3 | length 16.2
  Top Layer w1: T12.3@148.116,115.047 148.116,112.884 156.879,104.121 RL5.2@156.879,102.474
NetRL5_3: RL5.3 T12.1 | length 14.4
  Top Layer w1: T12.1@140.496,115.047 140.496,111.504 144.941,107.059 RL5.3@144.941,102.474
OUT_1: R27.1 T6.1 U5.4 | length 17.5
  Top Layer w1: R27.1@16.604,89.52 16.784,89.7 U5.4@16.784,92.441
  Bottom Layer w1: v1(16.7,89.6) 17.015,89.915 v1(17.015,103.984)
OUT_ERROR_ABOVE: U6.1 U7.33 | length 76
  Top Layer w0.25: U7.33@70.618,53.083 70.618,57.582 v1(70.7,57.664)
  Top Layer w0.5: U6.1@27.149,94.473 27.149,92.951 30.1,90 v1(30.1,88.6) ; v1(37.3,88.6) 49,88.6 53,84.6 53,66.1 v1(53.1,66)
  Bottom Layer w0.25: v1(53.1,66) 56.4,62.7 65.664,62.7 v1(70.7,57.664)
  Bottom Layer w0.5: v1(30.1,88.6) v1(37.3,88.6)
OUT_ERROR_BELOW: U7.51 U8.1 | length 68.2
  Top Layer w0.25: 50.6,52 50.6,50.9 51.217,50.283 U7.51@61.318,50.283
  Top Layer w0.5: U8.1@35.023,94.473 35.023,86.823 35.446,86.4 47.7,86.4 50.6,83.5 50.6,52
OUT_INVENTER_1: U7.40 U9.1 | length 45.7
  Top Layer w0.25: U7.40@67.118,53.083 67.118,60.518 72.1,65.5 v1(72.1,66.7) ; U9.1@67.582,94.473 67.582,91.318 71.4,87.5 v1(71.4,87.2) 72.3,86.3 v1(72.3,78)
  Bottom Layer w0.25: v1@71.81,78 72.1,78 v1(72.1,66.7)
OUT_INVENTER_2: U7.39 U10.1 | length 49.3
  Top Layer w0.25: U10.1@61.359,94.473 61.359,86.669 v1(70.128,77.9) ; U7.39@67.618,53.083 67.618,59.682 71.2,63.264 v1(72.864,63.264)
  Bottom Layer w0.25: v1(70.128,77.9) 70.128,66 v1(72.864,63.264)
OUT_INVENTER_3: U7.38 U11.1 | length 51.4
  Top Layer w0.25: U11.1@55.263,94.473 55.263,89.237 66.6,77.9 v1(67,77.9) ; U7.38@68.118,53.083 68.118,58.518 70.8,61.2 71.4,61.8 v1(72.2,61.8)
  Bottom Layer w0.25: v1(67,77.9) 66.6,77.9 68.6,75.9 68.6,65.4 v1(72.2,61.8)
OUT_INVENTER_4: U7.37 U12.1 | length 51
  Top Layer w0.25: U12.1@49.167,94.473 49.167,91.833 52.65,88.35 59.617,81.383 v1(63.1,77.9) ; U7.37@68.618,53.083 68.618,57.518 70.5,59.4 v1(70.5,59.5)
  Bottom Layer w0.25: v1(63.1,77.9) 63.1,77.8 65.4,75.5 65.4,64.6 v1(70.5,59.5)
OUT_LED_1: J1.02 U3.16 | length 14.1
  Top Layer w0.5: v1(126.2,24.1) 126.2,24.132 126.384,24.316 U3.16@126.384,26.4
  Bottom Layer w0.5: v1(126.2,24.1) 126.2,16.2 127.86,14.54 J1.02@129.3,14.54
OUT_LED_2: J1.04 U3.15 | length 18.4
  Top Layer w0.5: v1(127.6,28.2) 127.6,28.292 127.608,28.3 127.654,28.254 U3.15@127.654,26.4
  Bottom Layer w0.5: v1(127.6,28.2) 127.6,17.2 128.8,16 130.38,16 J1.04@131.84,14.54
OUT_LED_3: J1.06 U3.14 | length 14.8
  Top Layer w0.5: U3.14@128.924,26.4 129.1,26.224 v1(129.1,24)
  Bottom Layer w0.5: v1(129.1,24) 129.1,18.7 130.9,16.9 132.02,16.9 J1.06@134.38,14.54
OUT_LED_4: J1.08 U3.13 | length 19.9
  Top Layer w0.5: U3.13@130.194,26.4 130.194,28.294 130.2,28.288 v1(130.2,28.2)
  Bottom Layer w0.5: v1(130.2,28.2) 130.2,26 131.2,25 131.2,18.3 131.4,18.1 133.832,18.1 136.882,15.05 136.92,15.05 J1.08@136.92,14.54
OUT_ROLE_1: R3.2 U7.45 | length 40.6
  Top Layer w0.25: U7.45@64.618,53.083 64.618,66.918 70.9,73.2 85.4,73.2 86.803,74.603 R3.2@86.803,76
OUT_ROLE_2: R17.2 U7.44 | length 59
  Top Layer w0.25: U7.44@65.118,53.083 65.118,65.818 71.7,72.4 104.3,72.4 105.2,73.3 R17.2@105.2,76.348
OUT_ROLE_3: R28.2 U7.43 | length 74.3
  Top Layer w0.25: U7.43@65.618,53.083 65.618,65.318 71.9,71.6 105.4,71.6 107.031,73.231 120.631,73.231 122.369,74.969 R28.2@122.369,76.312
OUT_ROLE_4: R35.2 U7.42 | length 91.2
  Top Layer w0.25: U7.42@66.118,53.083 66.118,64.418 72.3,70.6 ; 106.3,70.6 108.2,72.5 138.6,72.5 139.535,73.435 R35.2@139.535,76.1
  Top Layer w0.4: 72.3,70.6 106.3,70.6
OUT_ROLE_5: R42.2 U7.41 | length 106.3
  Top Layer w0.25: U7.41@66.618,53.083 66.618,64.018 72.1,69.5 106.9,69.5 109.2,71.8 153.9,71.8 155.635,73.535 R42.2@155.635,75.9
OUT_START_FROM: U5.1 U7.52 | length 88.1
  Top Layer w0.25: 47.9,51.9 47.9,50.9 49.017,49.783 U7.52@61.318,49.783
  Top Layer w0.5: U5.1@16.784,101.077 18.523,101.077 19.9,99.7 19.9,92.8 29.4,83.3 46.7,83.3 47.9,82.1 47.9,51.9
POWER_IN: D2.1 H1.1 | length 9.5
  Top Layer w1: D2.1@9,13 13.989,8.011 H1.1@13.989,5.607
START_FROM: H2.1 R24.2 T6.2 | length 15.6
  Top Layer w1: T6.2@9.715,106.284 9.715,101.165 R24.2@10,100.88
  Bottom Layer w1: v1(9.7,106.5) 9.7,108.775 H2.1@15.173,114.248 H2.1@15.173,114.173
SWCLK: "LOAD CODE1.4" U7.21 | length 18.7
  Top Layer w0.25: U7.21@72.418,45.783 76.117,45.783 v1(76.2,45.7)
  Bottom Layer w0.25: v1(76.2,45.7) 85.9,45.7 86.9,46.7 86.9,48.642 88.204,49.946
SWDIO: "LOAD CODE1.5" U7.20 | length 19
  Top Layer w0.25: U7.20@72.418,45.283 73.417,45.283 73.8,44.9 v1(74.6,44.9) v1@74.217,45.283
  Bottom Layer w0.25: v1(74.6,44.9) 75.3,44.2 86.5,44.2 88.204,45.904 88.204,47.406
VCCD: C7.1 U7.48 | length 3.7
  Top Layer w0.25: C7.1@62.169,55.961 62.169,53.331 62.417,53.083 U7.48@63.118,53.083
VDDA: "LOAD CODE1.1" buzzer1.P C2.1 C3.2 C8.1 C9.1 C10.1 C11.1 C22.1 D14.2 encoder1.1 L1.1 R1.2 R2.2 R4.1 R7.2 R25.2 R29.1 R34.2 R40.2 R41.1 R43.1 R46.1 R47.1 R48.1 R49.1 R51.1 R52.1 R53.1 R57.2 R58.2 U1.4 U3.9 U4.10 U4.16 U7.11 U7.26 U7.50 U7.56 | length 737.3
  Top Layer w0.25: v1(52.4,54.6) 52.4,52.4 53.706,51.094 56.921,51.094 C10.1@58.44,52.613 58.44,51.06 58.717,50.783 U7.50@61.318,50.783 ; U7.56@61.318,47.783 65.383,47.783 65.883,48.283 68.8,48.283 ; v1(67.1,47) 67.717,47 68.9,48.183 68.8,48.283 ; v1(77.5,48.3) 72.435,48.3 U7.26@72.418,48.283 68.8,48.283 ; v1(84.4,48.3) 85.08,47.62 R29.1@85.08,41
  Top Layer w0.5: R48.1@8.546,66.77 R49.1@8.546,75.866 R53.1@8.546,84.802 8.546,86.446 8.9,86.8 22.4,86.8 26.2,83 26.2,74 buzzer1.P@29,71.2 29.759,71.959 D14.2@39.33,71.959 ; 14.919,28.081 U1.4@18.969,28.081 ; encoder1.1@50.119,40.334 54.766,40.334 55.8,39.3 R58.2@55.8,37.304 ; R57.2@55.897,34.413 R58.2@55.897,37.207 R58.2@55.8,37.304 ; v1(59,37.5) 55.996,37.5 R58.2@55.8,37.304 ; v1(74.1,83.8) 74.508,83.8 75.204,84.496 R1.2@76.996,84.496 ; C11.1@77.495,51.3 77.495,48.305 v1(77.5,48.3) ; C11.1@77.5,51.3 77.5,52.8 82.266,57.566 88.204,57.566 ; v1(92.8,84.1) 92.8,84.4 92.896,84.496 R7.2@94.649,84.496 ; v1(109.5,87.1) 111.286,85.314 R25.2@111.286,84.496 ; U4.16@116.231,4.367 116.231,3.569 116.6,3.2 v1(118.1,3.2) ; U4.10@116.231,11.987 118.187,11.987 v1(118.2,12) ; v1(124.1,46.8) 125.729,46.8 R47.1@125.909,46.62 ; v1(125.8,64.2) 125.8,62.445 R43.1@125.909,62.336 ; R52.1@125.909,31.285 125.909,30.191 126.5,29.6 134,29.6 135.274,28.326 U3.9@135.274,26.4 136.4,26.4 137.2,25.6 137.2,23.7 138.3,22.6 157.8,22.6 ; v1(127,87.4) 127.4,87.4 128.939,85.861 R34.2@128.939,84.496 ; v1(143.4,86.9) 145.068,85.232 R40.2@145.068,84.496 ; v1(148.4,2.6) 148.4,3.7 148.5,3.8 R4.1@148.4,3.9 150.2,3.9 157.8,11.5 157.8,22.6 ; v1(148.7,48.7) v1(148.7,46.625) R46.1@148.705,46.62 ; v1(148.7,64.2) 148.7,62.341 R41.1@148.705,62.336 ; R51.1@151.364,31.285 151.379,31.3 154.8,31.3 157.8,28.3 157.8,22.6 ; v1(154.4,87.8) 154.4,87.311 155.668,86.044 155.668,84.668 156.562,83.773 157.151,83.184 157.589,82.746 158.6,81.735 158.6,62.5 158.18,62.08 C22.1@157,62.08
  Top Layer w1: 14.919,28.081 14.5,28.5 14.5,34.5 C2.1@13,36 ; v1(29,62) 29,61 28,60 9,60 3.864,54.864 R2.2@3.864,52.803 3.864,49.136 4,49 4,38 5.556,36.444 7,36.444 7.444,36 C2.1@13,36 ; L1.1@31.906,34.446 30.047,36.305 23.1,36.305 22.795,36 C2.1@13,36
  Bottom Layer w0.25: v1(3.8,50.7) 7.7,54.6 v1(52.4,54.6) ; v1(59,37.5) 67.019,37.5 67.319,37.2 v1(67.4,37.2) 67.4,38.7 67.1,39 69,40.9 68.9,41 68.9,44.5 68.1,45.3 68.1,46 v1(67.1,47) ; v1(77.5,48.3) v1(84.4,48.3) v1@84.2,48.1
  Bottom Layer w0.5: v1(74.1,83.8) 74.5,83.8 75.3,84.6 75.3,85.5 ; v1(92.8,84.1) 93.4,84.1 94.1,84.8 94.1,85.5 ; v1(109.5,87.1) 110.6,86 110.6,85.5 ; v1(118.2,12) 119.7,10.5 119.7,4.8 v1(118.1,3.2) 118.1,2.9 119.085,1.915 146.685,1.915 146.723,1.877 147.677,1.877 v1(148.4,2.6) ; v1(124.1,46.8) 124.275,46.625 130.775,46.625 ; v1(125.8,31.5) 132.4,31.5 135,28.9 136.3,28.9 136.8,29.4 136.8,35.4 131.9,40.3 131.9,45.5 130.775,46.625 ; v1(125.8,64.2) v1(148.7,64.2) ; v1(127,87.4) 127.2,87.4 129.1,85.5 ; v1(143.4,86.9) 144.8,85.5 ; v1(148.7,46.625) 130.775,46.625 ; v1(148.7,48.7) v1(148.7,64.2) ; C22.1@157,62.08 154.88,64.2 v1(148.7,64.2)
  Bottom Layer w1: v1(29,62) v1@29.1,62 ; buzzer1.P@29,71.2 29,62.1 v1@29.1,62 ; v1(154.4,87.8) 154.4,86.5 153.372,85.472 148.128,85.472 148.1,85.5 144.8,85.5 134.711,85.5 134.683,85.472 132.593,85.472 132.565,85.5 129.1,85.5 117.744,85.5 117.716,85.472 115.625,85.472 115.597,85.5 110.6,85.5 100.625,85.5 100.597,85.472 98.506,85.472 98.478,85.5 94.1,85.5 83.657,85.5 83.629,85.472 81.539,85.472 81.511,85.5 75.3,85.5 63.6,85.5 40.1,62 v1@29.1,62
XRES: "LOAD CODE1.3" C13.2 R29.2 RESET1.1 RESET1.2 U7.47 | length 70
  Top Layer w0.25: U7.47@63.618,53.083 63.618,51.782 64.8,50.6 v1(65.8,50.6)
  Top Layer w0.5: C13.2@81,34.8 83.2,34.8 84.2,33.8 RESET1.2@85.5,33.8 v1(85.7,33.8) RESET1.1@94.5,33.8 ; R29.2@88,41 v1(89.5,41)
  Bottom Layer w0.25: v1(65.8,50.6) 65.8,49.782 65.86,49.722 65.86,49.576 67.036,48.4 67.482,48.4 72.582,43.3 87.2,43.3 v1(89.5,41)
  Bottom Layer w0.5: v1(85.7,33.8) 89.5,37.6 v1(89.5,41) 90.4,41.9 90.4,51.7 89.614,52.486 88.204,52.486
pads on no net: U2.1 U2.2 U2.3 U2.4 U2.5 U2.6 U3.5 U3.6 U3.7 U3.10 U3.11 U3.12 U4.9 U7.1 U7.8 U7.9 U7.14 U7.18 U7.19 U7.22 U7.23 U7.25 U7.34 U7.35 U7.36

## Keep-outs
Keep-Out Layer:
  the board outline again, w0.254

## Other copper
Bottom Layer:
  rectangle net GND: 2.6,12.8 20.4,38.6

## Text inside footprints (layer, text, board x,y; h text height)
BJT1: Mechanical 15 "Q2" at 82.1,83.301 h0.5
BJT2: Mechanical 15 "Q2" at 99.372,83.301 h0.5
BJT3: Mechanical 15 "Q2" at 116.58,83.301 h0.5
BJT4: Mechanical 15 "Q2" at 133.916,83.301 h0.5
BJT5: Mechanical 15 "Q2" at 150.172,83.301 h0.5
BJT6: Mechanical 15 "Q2" at 40.647,79.465 h0.5 r180
C2: Top Overlay "+" at 11.8,37.375 h0.89 r90
U1: Top Overlay "1" at 18.918,21.355 h1 r90